# Altium PCB roach2.PcbDoc (part 10 of 39)
Units mil, origin at the board's own origin, x right, y up, seen from the top; angles counter-clockwise.
Board outline 12007.87 x 9606.3 mil, 16 copper layers (L1_TOP, L2_G, L3_S, L4_G, L5_S, L6_P, L7_G, L8_R, L9_R, L10_P, L11_P, L12_S, L13_P, L14_S, L15_G, L16_BOT), stack 81.651 mil thick; 1608 components, 1934 nets, 9335 pads, 6759 vias.
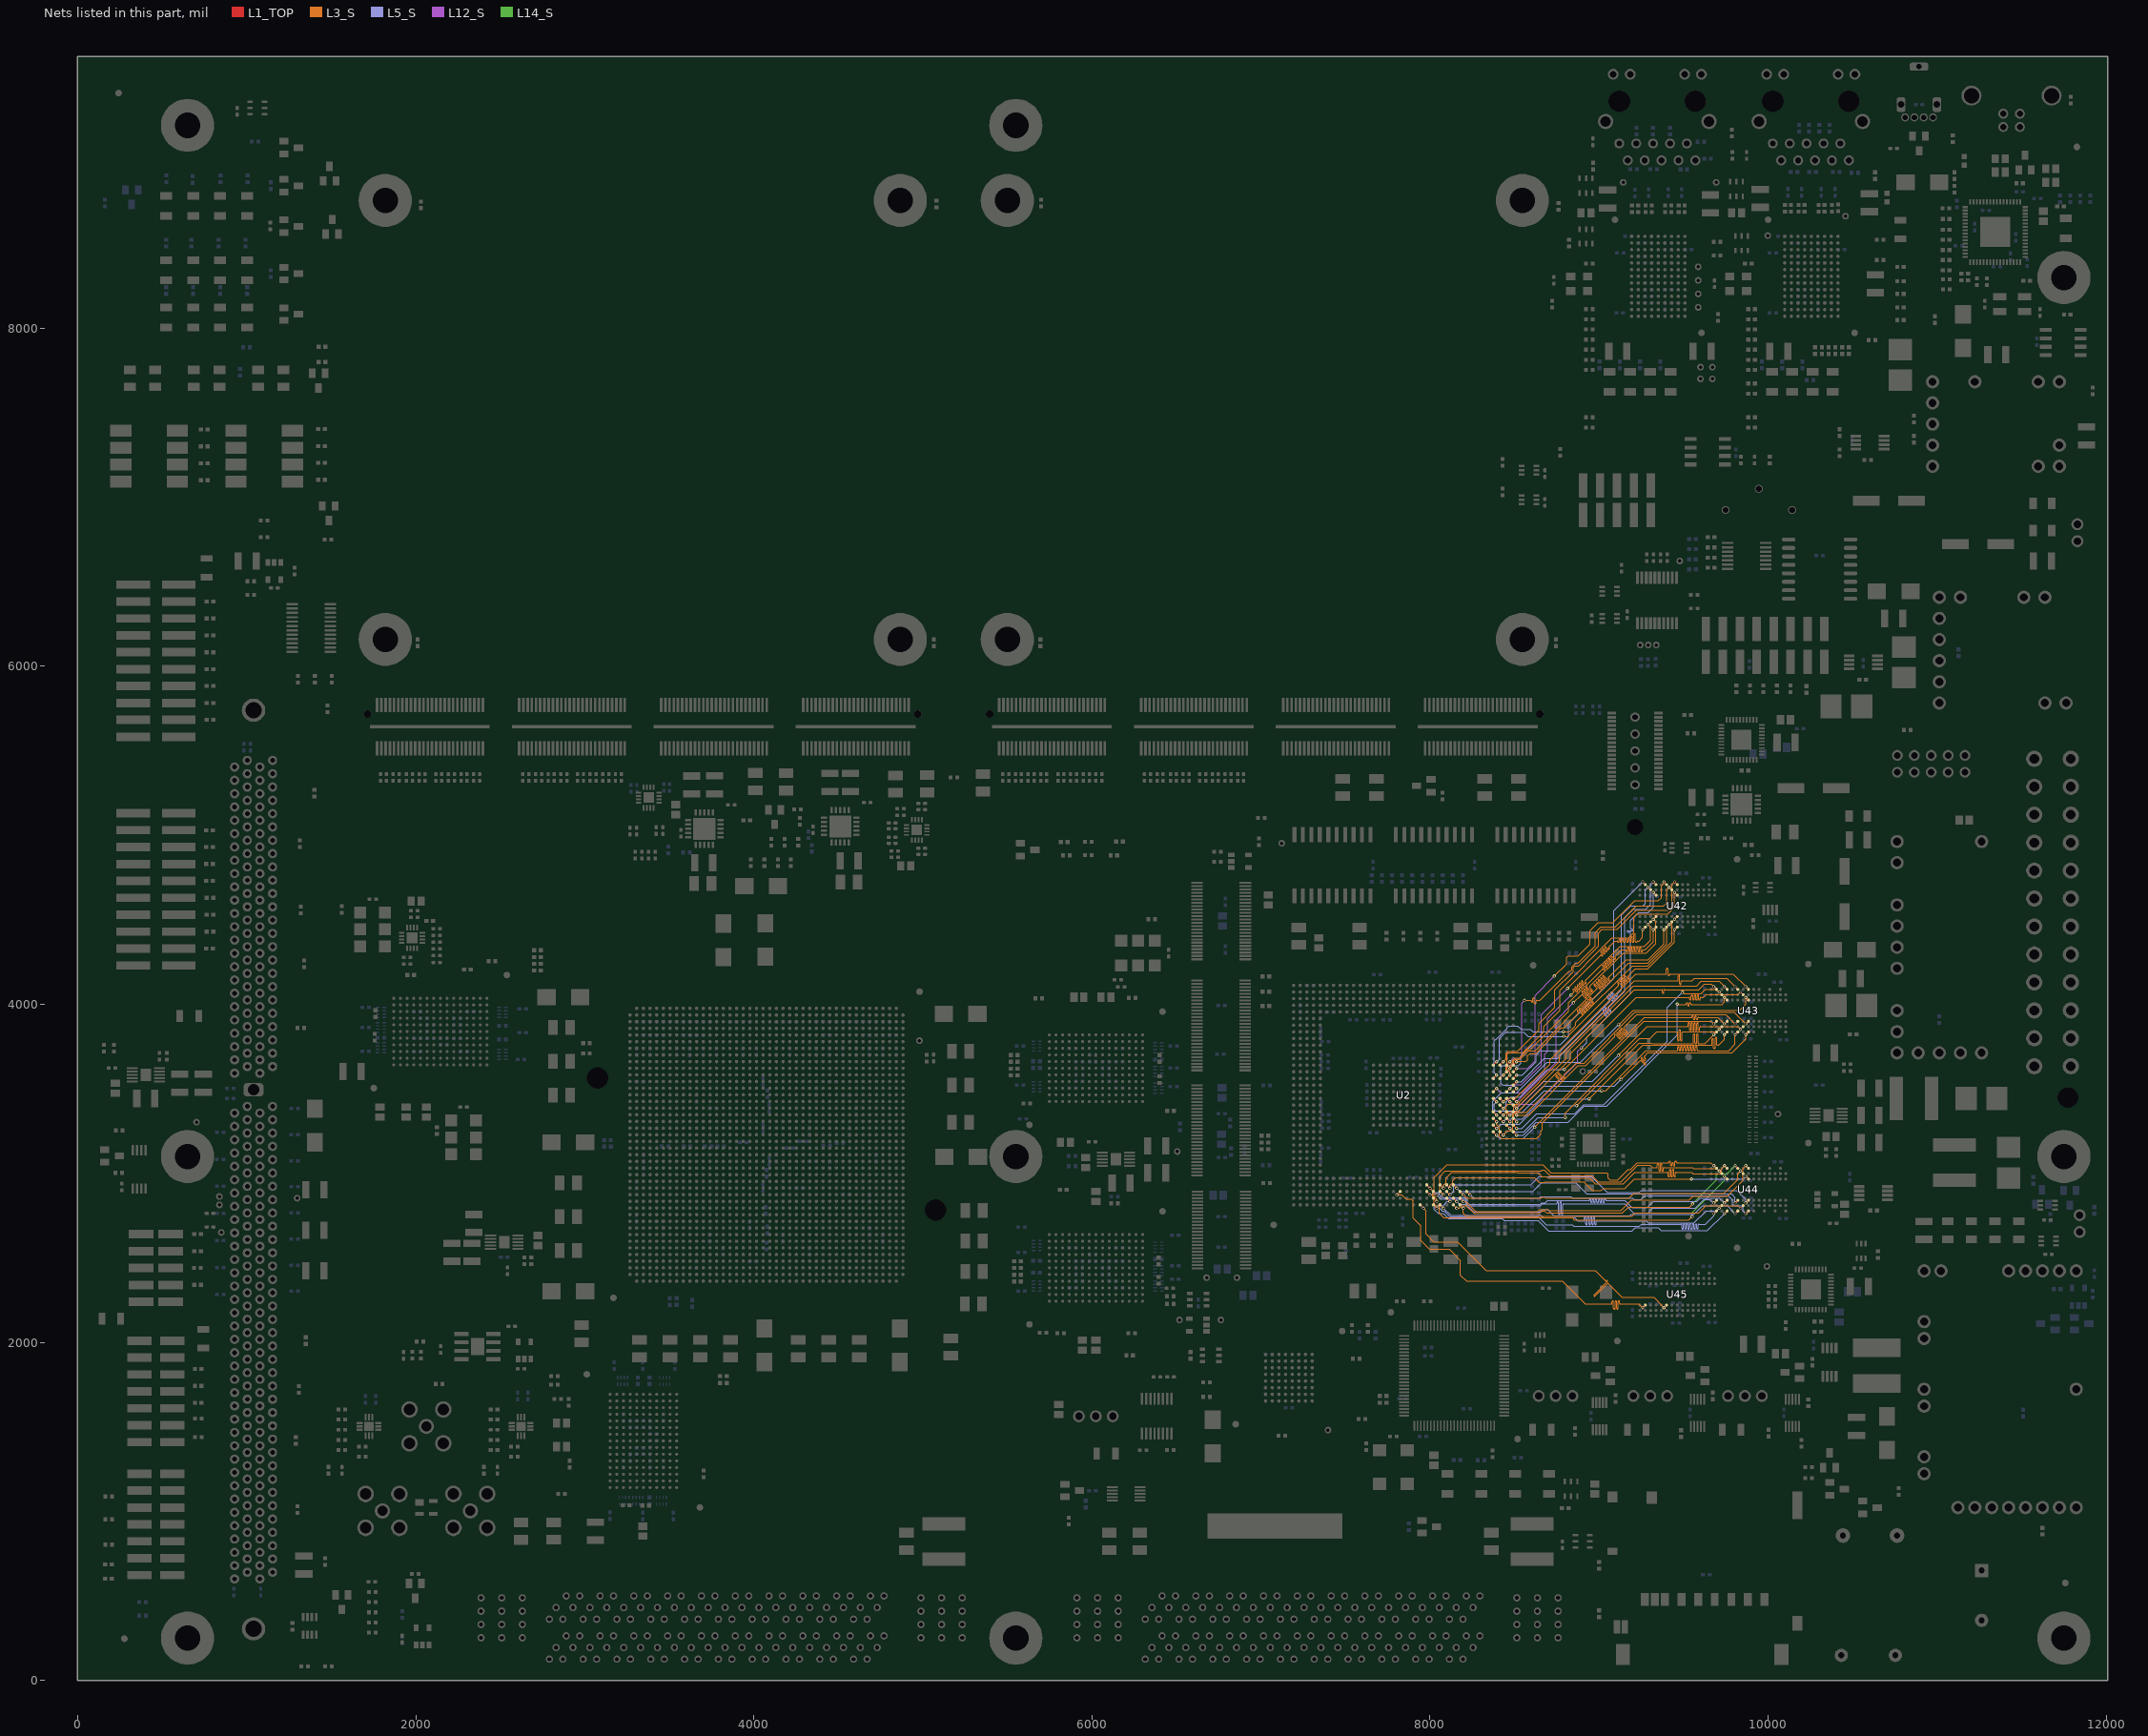
[diagram p24: the nets of this part, all layers, seen from the top]

## Via types
v1: diameter 19.4, hole 10, L1_TOP to L16_BOT, tented both sides, 3354 vias
v2: diameter 19.4, hole 10, L1_TOP to L16_BOT, 1884 vias
v3: diameter 19.4, hole 10, L1_TOP to L16_BOT, tented top, 410 vias
v4: diameter 18.6, hole 10, L1_TOP to L16_BOT, tented both sides, 311 vias
v5: diameter 59.06, hole 39.37, L1_TOP to L16_BOT, 217 vias
v6: diameter 19, hole 10, L1_TOP to L16_BOT, 198 vias
v7: diameter 19.4, hole 10.04, L1_TOP to L16_BOT, 125 vias
v8: diameter 19.4, hole 10, L1_TOP to L16_BOT, tented bottom, 80 vias
v9: diameter 25.98, hole 12.99, L1_TOP to L16_BOT, tented top, 59 vias
v10: diameter 20, hole 10, L1_TOP to L16_BOT, 52 vias
v11: diameter 59.06, hole 39.37, L1_TOP to L16_BOT, tented top, 44 vias
v12: diameter 20, hole 10, L1_TOP to L16_BOT, tented top, 16 vias
v13: diameter 19, hole 10, L1_TOP to L16_BOT, tented top, 5 vias
v14: diameter 50, hole 28, L1_TOP to L16_BOT, 4 vias

## Nets (pads, with @x,y where several pads share a name; then routed paths per layer and width w, separated by ;. In a path a pad name is that pad's centre, name@x,y a point inside that pad or via, vN(x,y) a via of type N, cw(c..) or ccw(c..) an arc to the next point about the centre after c; other vN are vias at no path point) (continued)
DDR2.DM2: U2.AP15 U43.F3 | length 1915.4
  L1_TOP w5: U2.AP15@8492.6,3364.57 v1(8512.28,3344.88) ; v4(9805.12,3883.86) U43.F3@9820.87,3899.61
  L3_S w3.8: v1(8512.28,3344.88) 8584.99,3344.88 8877.05,3636.94 8920.94,3636.94 9091.45,3807.45 ccw(c9088.34,3810.56) 9091.45,3813.67 cw(c9094.56,3816.78) 9091.45,3819.89 cw(c9094.56,3816.78) 9097.67,3819.89 9121.92,3795.64 ccw(c9125.03,3798.76) 9128.14,3795.65 ccw(c9125.03,3798.76) 9128.14,3801.87 9107,3823 9104.74,3825.27 cw(c9107.85,3828.38) 9104.74,3831.49 cw(c9107.85,3828.38) 9110.96,3831.49 9134.36,3808.09 ccw(c9137.47,3811.2) 9140.58,3808.09 ccw(c9137.47,3811.2) 9140.58,3814.31 9119.45,3835.45 9117.19,3837.71 cw(c9120.3,3840.82) 9117.19,3843.93 cw(c9120.3,3840.82) 9123.41,3843.93 9125.67,3841.67 9146.81,3820.54 ccw(c9149.92,3823.65) 9153.03,3820.54 ccw(c9149.92,3823.65) 9153.03,3826.76 9129.63,3850.16 cw(c9132.74,3853.27) 9129.63,3856.38 cw(c9132.74,3853.27) 9135.85,3856.38 9138.12,3854.12 9159.25,3832.98 ccw(c9162.36,3836.09) 9165.47,3832.98 ccw(c9162.36,3836.09) 9165.47,3839.2 9147.45,3857.23 cw(c9150.56,3860.34) 9147.45,3863.45 9222.99,3938.99 9749.98,3938.99 v4(9805.12,3883.86)
DDR2.DM3: U2.AL14 U43.B3 | length 1745.1
  L1_TOP w5: U2.AL14@8374.49,3325.2 v1(8394.17,3305.51) ; v4(9679.13,3883.86) U43.B3@9694.88,3899.61
  L3_S w3.8: v1(8394.17,3305.51) 8394.17,3288.2 8409.77,3272.6 8409.77,3218.21 8420.99,3206.99 8630.99,3206.99 8655.08,3231.08 8655.08,3249.77 8664.22,3258.91 8664.22,3298.22 9265.46,3899.46 9663.24,3899.46 9678.84,3883.86 v4(9679.13,3883.86)
DDR2.DM4: U2.AE4 U44.F3 | length 1793.2
  L1_TOP w5: U2.AE4@8138.27,2931.5 v1(8157.95,2911.81) ; v4(9805.12,2824.8) U44.F3@9820.87,2840.55
  L5_S w3.8: v1(8157.95,2911.81) 8176.77,2892.99 8608.99,2892.99 8658.59,2942.59 8863.39,2942.59 8927.39,2878.59 9783.39,2878.59 9805.12,2856.87 v4(9805.12,2824.8)
DDR2.DM5: U2.AB3 U44.B3 | length 2068
  L1_TOP w5: U2.AB3@8020.16,2892.13 v1(8039.84,2872.44) ; v4(9679.13,2824.8) U44.B3@9694.88,2840.55
  L5_S w3.8: v1(8039.84,2872.44) 8063.61,2848.67 8203.79,2848.67 8212.92,2839.53 8212.92,2822.22 8225.85,2809.3 8654.61,2809.3 8664.22,2818.91 8746.99,2818.91 ccw(c8746.99,2823.31) 8751.39,2823.31 8751.39,2826.51 cw(c8755.79,2826.51) 8755.79,2830.91 cw(c8755.79,2826.51) 8760.19,2826.51 8760.19,2761.47 ccw(c8764.59,2761.47) 8764.59,2757.07 ccw(c8764.59,2761.47) 8768.99,2761.47 8768.99,2826.51 cw(c8773.39,2826.51) 8773.39,2830.91 cw(c8773.39,2826.51) 8777.79,2826.51 8777.79,2761.47 ccw(c8782.19,2761.47) 8782.19,2757.07 ccw(c8782.19,2761.47) 8786.59,2761.47 8786.59,2814.51 cw(c8790.99,2814.51) 8790.99,2818.91 9153.08,2818.91 9204.59,2767.39 9289.39,2767.39 9316.99,2794.99 9570.99,2794.99 9620.99,2844.99 9654.99,2844.99 9675.18,2824.8 v4(9679.13,2824.8)
DDR2.DM6: U2.Y1 U45.F3 | length 2025.6
  L1_TOP w5: U2.Y1@7941.42,2813.39 v1(7961.1,2793.7) ; v4(9383.86,2204.72) U45.F3@9399.61,2220.47
  L3_S w3.8: v1(7961.1,2793.7) 7976.99,2777.81 7976.99,2640.99 8022.99,2594.99 8162.99,2594.99 8332.99,2424.99 8976.99,2424.99 9036.59,2365.4 ccw(c9039.7,2368.51) 9042.81,2365.4 cw(c9045.92,2362.28) 9049.03,2365.4 cw(c9045.92,2362.28) 9049.03,2359.17 8970.74,2280.88 ccw(c8973.85,2277.77) 8970.74,2274.66 ccw(c8973.85,2277.77) 8976.97,2274.66 9049.03,2346.73 cw(c9052.14,2343.62) 9055.26,2346.73 9134.99,2266.99 9323.19,2266.99 9383.86,2206.32 v4(9383.86,2204.72)
DDR2.DM7: U2.U3 U45.B3 | length 2145.7
  L1_TOP w5: v1(7803.62,2872.44) U2.U3@7823.31,2892.13 ; v4(9257.87,2204.72) U45.B3@9273.62,2220.47
  L3_S w3.8: v1(7803.62,2872.44) 7833.54,2872.44 7857.31,2848.67 7888.83,2848.67 7900.99,2836.5 7900.99,2734.99 7944.99,2690.99 7944.99,2602.99 7996.99,2550.99 8114.99,2550.99 8180.99,2484.99 8180.99,2396.99 8214.99,2362.99 8782.99,2362.99 8918.99,2226.99 9072.99,2226.99 ccw(c9072.99,2231.39) 9077.39,2231.39 9077.39,2240.33 cw(c9081.79,2240.33) 9081.79,2244.73 cw(c9081.79,2240.33) 9086.19,2240.33 9086.19,2201.79 ccw(c9090.59,2201.79) 9090.59,2197.39 ccw(c9090.59,2201.79) 9094.99,2201.79 9094.99,2240.33 cw(c9099.39,2240.33) 9099.39,2244.73 cw(c9099.39,2240.33) 9103.79,2240.33 9103.79,2201.79 ccw(c9108.19,2201.79) 9108.19,2197.39 ccw(c9108.19,2201.79) 9112.59,2201.79 9112.59,2240.33 cw(c9116.99,2240.33) 9116.99,2244.73 cw(c9116.99,2240.33) 9121.39,2240.33 9121.39,2231.39 ccw(c9125.79,2231.39) 9125.79,2226.99 9235.61,2226.99 v4(9257.87,2204.72)
DDR2.DQ0: U2.AN22 U42.G8 | length 1783
  L1_TOP w5: U2.AN22@8453.23,3640.16 v1(8472.91,3659.84) ; v4(9415.35,4692.91) U42.G8@9431.1,4677.17
  L3_S w3.8: v2(8558.99,4022.99) 8595.79,4022.99 cw(c8595.79,4018.59) 8600.19,4018.59 8600.19,4017.71 ccw(c8604.59,4017.71) 8604.59,4013.31 ccw(c8604.59,4017.71) 8608.99,4017.71 8608.99,4034.07 cw(c8613.39,4034.07) 8613.39,4038.47 cw(c8613.39,4034.07) 8617.79,4034.07 8617.79,4007.92 ccw(c8622.19,4007.92) 8622.19,4003.52 ccw(c8622.19,4007.92) 8626.59,4007.92 8626.59,4018.59 cw(c8630.99,4018.59) 8630.99,4022.99 8650.96,4022.99 8823.36,4195.39 8829.45,4195.39 8838.96,4204.9 8838.96,4220.68 8861.27,4242.99 8876.99,4242.99 8978.99,4344.99 8978.99,4424.99 9010.99,4456.99 9096.99,4456.99 9220.99,4580.99 9380.99,4580.99 9399.75,4599.75 9399.75,4677.31 v4(9415.35,4692.91)
  L12_S w3.8: v1(8472.91,3659.84) 8490.06,3676.99 8531.97,3676.99 8542.99,3688.02 8542.99,4006.99 v2(8558.99,4022.99)
DDR2.DQ1: U2.AP22 U42.G2 | length 1783
  L1_TOP w5: U2.AP22@8492.6,3640.16 v1(8512.28,3659.84) ; v4(9415.35,4472.44) U42.G2@9431.1,4488.19
  L3_S w3.8: v1(8512.28,3659.84) 8514.83,3662.39 8569.45,3662.39 8578.59,3671.53 8578.59,3696.4 8591.18,3708.99 8624.99,3708.99 8774.99,3858.99 8790.99,3858.99 8877.5,3945.5 ccw(c8874.39,3948.62) 8877.5,3951.73 8871.34,3957.89 cw(c8874.45,3961) 8871.34,3964.11 cw(c8874.45,3961) 8877.57,3964.11 8897.11,3944.57 ccw(c8900.22,3947.68) 8903.33,3944.57 ccw(c8900.22,3947.68) 8903.33,3950.79 8893.06,3961.06 8883.79,3970.33 cw(c8886.9,3973.44) 8883.79,3976.56 cw(c8886.9,3973.44) 8890.01,3976.56 8909.56,3957.01 ccw(c8912.67,3960.12) 8915.78,3957.01 ccw(c8912.67,3960.12) 8915.78,3963.23 8896.23,3982.78 cw(c8899.34,3985.89) 8896.23,3989 cw(c8899.34,3985.89) 8902.46,3989 8922,3969.46 ccw(c8925.11,3972.57) 8928.22,3969.46 ccw(c8925.11,3972.57) 8928.22,3975.68 8908.68,3995.22 cw(c8911.79,3998.33) 8908.68,4001.45 cw(c8911.79,3998.33) 8914.9,4001.45 8924.17,3992.17 8934.45,3981.9 ccw(c8937.56,3985.01) 8940.67,3981.9 ccw(c8937.56,3985.01) 8940.67,3988.12 8921.12,4007.67 cw(c8924.23,4010.78) 8921.12,4013.89 cw(c8924.23,4010.78) 8927.35,4013.89 8946.89,3994.35 ccw(c8950,3997.46) 8953.11,3994.35 ccw(c8950,3997.46) 8953.11,4000.57 8942.84,4010.84 8933.57,4020.11 cw(c8936.68,4023.22) 8933.57,4026.34 cw(c8936.68,4023.22) 8939.79,4026.34 8959.34,4006.79 ccw(c8962.45,4009.9) 8965.56,4006.79 ccw(c8962.45,4009.9) 8965.56,4013.01 8955.29,4023.29 8946.01,4032.56 cw(c8949.12,4035.67) 8946.01,4038.78 cw(c8949.12,4035.67) 8952.24,4038.78 8958.4,4032.62 ccw(c8961.51,4035.73) 8964.62,4032.62 9174.99,4242.99 9286.99,4242.99 9399.75,4355.75 9399.75,4456.84 v4(9415.35,4472.44)
DDR2.DQ2: U2.AM20 U42.H7 | length 1763.6
  L1_TOP w5: U2.AM20@8413.86,3561.42 v1(8433.54,3581.1) ; v4(9446.85,4661.42) U42.H7@9462.6,4645.67
  L3_S w3.8: v1(8433.54,3581.1) 8449.51,3597.07 8449.51,3630.17 8457.31,3637.97 8457.31,3705.68 8466.45,3714.81 8548.81,3714.81 8672.99,3838.99 8672.99,3868.99 8767.83,3963.83 8767.83,4083.83 9076.99,4392.99 9174.99,4392.99 9204.99,4422.99 9204.99,4514.99 9222.99,4532.99 9406.99,4532.99 9446.85,4572.85 v4(9446.85,4661.42)
DDR2.DQ3: U2.AL20 U42.H3 | length 1734.9
  L1_TOP w5: U2.AL20@8374.49,3561.42 v1(8394.17,3581.1) ; v4(9446.85,4503.94) U42.H3@9462.6,4519.68
  L3_S w3.8: v2(8788.99,3838.99) 8824.99,3838.99 8853.39,3867.39 8853.98,3867.39 8863.12,3876.53 8863.12,3893.12 9196.99,4226.99 9286.99,4226.99 9431.25,4371.25 9431.25,4488.34 v4(9446.85,4503.94)
  L5_S w3.8: v1(8394.17,3581.1) 8378.57,3596.7 8378.57,3784.42 8387.71,3793.55 8392.47,3793.55 8457.31,3858.4 8457.31,3863.16 8466.45,3872.29 8518.75,3872.29 8540.05,3850.99 8594.99,3850.99 8606.99,3838.99 v2(8788.99,3838.99)
DDR2.DQ4: U2.AL22 U42.H1 | length 1783
  L1_TOP w5: U2.AL22@8374.49,3640.16 v1(8394.17,3659.84) ; v4(9446.85,4440.94) U42.H1@9462.6,4456.69
  L3_S w3.8: v2(8790.99,3810.99) 8814.99,3810.99 9115.92,4111.92 ccw(c9112.81,4115.03) 9115.92,4118.14 9110.79,4123.27 cw(c9113.9,4126.38) 9110.79,4129.5 cw(c9113.9,4126.38) 9117.01,4129.5 9125.25,4121.25 9133.5,4113.01 ccw(c9136.61,4116.12) 9139.72,4113.01 ccw(c9136.61,4116.12) 9139.72,4119.23 9123.23,4135.72 cw(c9126.35,4138.83) 9123.23,4141.94 cw(c9126.35,4138.83) 9129.46,4141.94 9145.94,4125.46 ccw(c9149.05,4128.57) 9152.16,4125.46 ccw(c9149.05,4128.57) 9152.16,4131.68 9135.68,4148.16 cw(c9138.79,4151.27) 9135.68,4154.39 cw(c9138.79,4151.27) 9141.9,4154.39 9158.39,4137.9 ccw(c9161.5,4141.01) 9164.61,4137.9 ccw(c9161.5,4141.01) 9164.61,4144.13 9156.37,4152.37 9148.13,4160.61 cw(c9151.24,4163.72) 9148.13,4166.83 cw(c9151.24,4163.72) 9154.35,4166.83 9170.83,4150.35 ccw(c9173.94,4153.46) 9177.05,4150.35 ccw(c9173.94,4153.46) 9177.05,4156.57 9171.92,4161.7 cw(c9175.03,4164.81) 9171.92,4167.92 9214.99,4210.99 9288.99,4210.99 9446.85,4368.85 v4(9446.85,4440.94)
  L5_S w3.8: v1(8394.17,3659.84) 8409.77,3675.44 8409.77,3797.77 8446.99,3834.99 8554.99,3834.99 8578.99,3810.99 v2(8790.99,3810.99)
DDR2.DQ5: U2.AM22 U42.H9 | length 1741.2
  L1_TOP w5: U2.AM22@8413.86,3640.16 v1(8433.54,3659.84) ; v4(9446.85,4724.41) U42.H9@9462.6,4708.66
  L3_S w3.8: v1(8433.54,3659.84) 8449.51,3675.81 8449.51,3708.91 8463.22,3722.61 8496.31,3722.61 8496.69,3722.99 8505.81,3722.99 ; 8505.82,3722.98 8518.75,3722.98 8644.99,3849.23 8644.99,3886.99 8738.99,3980.99 8738.99,4084.99 8846.76,4192.76 8846.76,4217.45 8855.9,4226.59 8878.59,4226.59 8997.56,4345.56 8997.56,4422.67 9018.32,4443.42 9107.42,4443.42 9220.99,4556.99 9406.99,4556.99 9431.25,4581.25 9431.25,4708.81 v4(9446.85,4724.41)
DDR2.DQ6: U2.AN21 U42.F1 | length 1783
  L1_TOP w5: U2.AN21@8453.23,3600.79 v1(8472.91,3620.47) ; v4(9383.86,4440.94) U42.F1@9399.61,4456.69
  L3_S w3.8: v1(8472.91,3620.47) 8496.68,3644.24 8496.68,3666.31 8505.82,3675.44 8532.13,3675.44 8581.68,3724.99 8620.99,3724.99 8986.76,4090.76 ccw(c8983.65,4093.87) 8986.76,4096.98 8971.65,4112.1 cw(c8974.76,4115.21) 8971.65,4118.32 cw(c8974.76,4115.21) 8977.87,4118.32 8996.09,4100.09 9004.32,4091.87 ccw(c9007.43,4094.98) 9010.54,4091.87 ccw(c9007.43,4094.98) 9010.54,4098.09 8984.09,4124.54 cw(c8987.2,4127.65) 8984.09,4130.76 cw(c8987.2,4127.65) 8990.32,4130.76 9008.54,4112.54 9016.76,4104.32 ccw(c9019.88,4107.43) 9022.99,4104.32 ccw(c9019.88,4107.43) 9022.99,4110.54 8996.54,4136.99 cw(c8999.65,4140.1) 8996.54,4143.21 cw(c8999.65,4140.1) 9002.76,4143.21 9020.98,4124.98 9029.21,4116.76 ccw(c9032.32,4119.87) 9035.43,4116.76 ccw(c9032.32,4119.87) 9035.43,4122.98 9027.21,4131.21 9008.98,4149.43 cw(c9012.09,4152.54) 9008.98,4155.65 cw(c9012.09,4152.54) 9015.21,4155.65 9041.65,4129.21 ccw(c9044.77,4132.32) 9047.88,4129.21 ccw(c9044.77,4132.32) 9047.88,4135.43 9039.65,4143.65 9021.43,4161.88 cw(c9024.54,4164.99) 9021.43,4168.1 cw(c9024.54,4164.99) 9027.65,4168.1 9054.1,4141.65 ccw(c9057.21,4144.76) 9060.32,4141.65 ccw(c9057.21,4144.76) 9060.32,4147.87 9055.21,4152.99 cw(c9058.32,4156.1) 9055.21,4159.21 9160.99,4264.99 9290.99,4264.99 9383.86,4357.86 v4(9383.86,4440.94)
DDR2.DQ7: U2.AP21 U42.F9 | length 1720.2
  L1_TOP w5: U2.AP21@8492.6,3600.79 v1(8512.28,3620.47) ; v4(9383.86,4724.41) U42.F9@9399.61,4708.66
  L3_S w3.8: v2(8734.99,4166.99) 8807.39,4239.39 8807.39,4277.45 8817.18,4287.24 8877.24,4287.24 8946.99,4356.99 8946.99,4434.99 8994.56,4482.56 9082.56,4482.56 9212.99,4612.99 9350.99,4612.99 9368.26,4630.26 9368.26,4699.38 9383.86,4714.98 v4(9383.86,4724.41)
  L12_S w3.8: v1(8512.28,3620.47) 8576.47,3620.47 8620.99,3664.99 8620.99,4052.99 v2(8734.99,4166.99)
DDR2.DQ8: U2.AP20 U42.C8 | length 1849.9
  L1_TOP w5: U2.AP20@8492.6,3561.42 v1(8512.28,3581.1) ; v4(9289.37,4692.91) U42.C8@9305.12,4677.17
  L5_S w3.8: v1(8512.28,3581.1) 8547.1,3581.1 8626.99,3660.99 8626.99,3700.99 8650.99,3724.99 8770.99,3724.99 9062.78,4016.78 ccw(c9059.67,4019.89) 9062.78,4023.01 9045.69,4040.1 cw(c9048.8,4043.21) 9045.69,4046.32 cw(c9048.8,4043.21) 9051.92,4046.32 9072.12,4026.12 9076.32,4021.91 ccw(c9079.43,4025.03) 9082.54,4021.91 ccw(c9079.43,4025.03) 9082.54,4028.14 9078.34,4032.34 9058.14,4052.54 cw(c9061.25,4055.65) 9058.14,4058.76 cw(c9061.25,4055.65) 9064.36,4058.76 9088.76,4034.36 ccw(c9091.88,4037.47) 9094.99,4034.36 ccw(c9091.88,4037.47) 9094.99,4040.58 9090.78,4044.78 9070.58,4064.99 cw(c9073.69,4068.1) 9070.58,4071.21 cw(c9073.69,4068.1) 9076.8,4071.21 9101.21,4046.81 ccw(c9104.32,4049.92) 9107.43,4046.81 ccw(c9104.32,4049.92) 9107.43,4053.03 9106.34,4054.12 cw(c9109.45,4057.23) 9106.34,4060.34 9132.99,4086.99 9132.99,4528.66 9187.01,4582.68 9258.68,4582.68 9273.77,4597.77 9273.77,4677.31 v4(9289.37,4692.91)
DDR2.DQ9: U2.AL18 U42.C2 | length 1849.9
  L1_TOP w5: U2.AL18@8374.49,3482.68 v1(8394.17,3502.36) ; v4(9289.37,4472.44) U42.C2@9305.12,4488.19
  L3_S w3.8: v2(8834.99,4054.99) 8850.99,4070.99 ccw(c8847.88,4074.1) 8850.99,4077.21 8846.41,4081.8 cw(c8849.52,4084.91) 8846.41,4088.02 cw(c8849.52,4084.91) 8852.63,4088.02 8866.02,4074.63 ccw(c8869.13,4077.74) 8872.24,4074.63 ccw(c8869.13,4077.74) 8872.24,4080.85 8866.55,4086.55 8858.85,4094.24 cw(c8861.96,4097.36) 8858.85,4100.47 cw(c8861.96,4097.36) 8865.08,4100.47 8878.47,4087.08 ccw(c8881.58,4090.19) 8884.69,4087.08 ccw(c8881.58,4090.19) 8884.69,4093.3 8871.3,4106.69 cw(c8874.41,4109.8) 8871.3,4112.91 cw(c8874.41,4109.8) 8877.52,4112.91 8890.91,4099.52 ccw(c8894.02,4102.63) 8897.13,4099.52 ccw(c8894.02,4102.63) 8897.13,4105.74 8883.74,4119.13 cw(c8886.85,4122.25) 8883.74,4125.36 cw(c8886.85,4122.25) 8889.97,4125.36 8897.66,4117.66 8903.36,4111.97 ccw(c8906.47,4115.08) 8909.58,4111.97 ccw(c8906.47,4115.08) 8909.58,4118.19 8896.19,4131.58 cw(c8899.3,4134.69) 8896.19,4137.8 cw(c8899.3,4134.69) 8902.41,4137.8 8915.8,4124.41 ccw(c8918.91,4127.52) 8922.02,4124.41 ccw(c8918.91,4127.52) 8922.02,4130.63 8919.44,4133.22 cw(c8922.55,4136.33) 8919.44,4139.44 9122.99,4342.99 9267.68,4342.99 9304.97,4380.28 9304.97,4456.84 v4(9289.37,4472.44)
  L12_S w3.8: v1(8394.17,3502.36) 8419.55,3476.99 8546.99,3476.99 8678.99,3608.99 8678.99,3704.99 8696.99,3722.99 8696.99,3916.99 v2(8834.99,4054.99)
DDR2.DQ10: U2.AN17 U42.D7 | length 1849.9
  L1_TOP w5: U2.AN17@8453.23,3443.31 v1(8472.91,3423.62) ; v4(9320.87,4661.42) U42.D7@9336.61,4645.67
  L5_S w3.8: v2(8894.99,3742.99) 8925.71,3773.71 8925.71,3803.24 9186.99,4064.53 9186.99,4422.59 ccw(c9182.59,4422.59) 9182.59,4426.99 9170.63,4426.99 cw(c9170.63,4431.39) 9166.23,4431.39 cw(c9170.63,4431.39) 9170.63,4435.79 9200.95,4435.79 ccw(c9200.95,4440.19) 9205.35,4440.19 ccw(c9200.95,4440.19) 9200.95,4444.59 9191.39,4444.59 cw(c9191.39,4448.99) 9186.99,4448.99 9186.99,4496.99 9232.99,4542.99 9289.8,4542.99 9320.87,4574.06 v4(9320.87,4661.42)
  L12_S w3.8: v1(8472.91,3423.62) 8488.51,3408.02 8624.02,3408.02 8872.99,3656.99 8872.99,3720.99 v2(8894.99,3742.99)
DDR2.DQ11: U2.AP17 U42.D3 | length 1849.9
  L1_TOP w5: U2.AP17@8492.6,3443.31 v1(8512.28,3423.62) ; v4(9320.87,4503.94) U42.D3@9336.61,4519.68
  L3_S w3.8: v2(8848.99,4008.99) 8895.17,4055.17 cw(c8898.28,4052.06) 8901.39,4055.17 8917,4039.56 ccw(c8920.11,4042.67) 8923.22,4039.56 ccw(c8920.11,4042.67) 8923.22,4045.78 8898.78,4070.22 cw(c8901.89,4073.33) 8898.78,4076.44 cw(c8901.89,4073.33) 8905,4076.44 8910.72,4070.72 8929.44,4052 ccw(c8932.56,4055.11) 8935.67,4052 ccw(c8932.56,4055.11) 8935.67,4058.23 8916.95,4076.95 8911.23,4082.67 cw(c8914.34,4085.78) 8911.23,4088.89 cw(c8914.34,4085.78) 8917.45,4088.89 8941.89,4064.45 ccw(c8945,4067.56) 8948.11,4064.45 ccw(c8945,4067.56) 8948.11,4070.67 8929.39,4089.39 8923.67,4095.11 cw(c8926.78,4098.22) 8923.67,4101.33 cw(c8926.78,4098.22) 8929.89,4101.33 8954.33,4076.89 ccw(c8957.45,4080) 8960.56,4076.89 ccw(c8957.45,4080) 8960.56,4083.12 8944.95,4098.72 cw(c8948.06,4101.84) 8944.95,4104.95 9142.99,4302.99 9278.99,4302.99 9336.76,4360.76 9336.76,4488.04 v4(9320.87,4503.94)
  L12_S w3.8: v1(8512.28,3423.62) 8745.3,3656.64 8745.3,3905.3 v2(8848.99,4008.99)
DDR2.DQ12: U2.AN20 U42.D1 | length 1849.9
  L1_TOP w5: U2.AN20@8453.23,3561.42 v1(8472.91,3581.1) ; v4(9320.87,4440.94) U42.D1@9336.61,4456.69
  L3_S w3.8: v1(8472.91,3581.1) 8472.91,3598.41 8457.31,3614.01 8457.31,3626.94 8466.45,3636.07 8471.21,3636.07 8488.88,3653.75 8488.88,3669.54 8502.59,3683.24 8528.9,3683.24 8578.44,3732.79 8594.69,3732.79 8820.99,3959.09 8820.99,4010.99 9018.58,4208.58 cw(c9021.69,4205.46) 9024.8,4208.58 9027.82,4205.55 ccw(c9030.93,4208.66) 9034.04,4205.55 ccw(c9030.93,4208.66) 9034.04,4211.78 9021.78,4224.04 cw(c9024.89,4227.15) 9021.78,4230.26 cw(c9024.89,4227.15) 9028,4230.26 9040.26,4218 ccw(c9043.38,4221.11) 9046.49,4218 ccw(c9043.38,4221.11) 9046.49,4224.22 9034.22,4236.49 cw(c9037.33,4239.6) 9034.22,4242.71 cw(c9037.33,4239.6) 9040.44,4242.71 9046.58,4236.58 9052.71,4230.44 ccw(c9055.82,4233.56) 9058.93,4230.44 ccw(c9055.82,4233.56) 9058.93,4236.67 9046.67,4248.93 cw(c9049.78,4252.04) 9046.67,4255.15 cw(c9049.78,4252.04) 9052.89,4255.15 9065.15,4242.89 ccw(c9068.27,4246) 9071.38,4242.89 ccw(c9068.27,4246) 9071.38,4249.11 9059.11,4261.38 cw(c9062.22,4264.49) 9059.11,4267.6 cw(c9062.22,4264.49) 9065.33,4267.6 9077.6,4255.33 ccw(c9080.71,4258.45) 9083.82,4255.33 ccw(c9080.71,4258.45) 9083.82,4261.56 9077.69,4267.69 9071.56,4273.82 cw(c9074.67,4276.93) 9071.56,4280.04 cw(c9074.67,4276.93) 9077.78,4280.04 9090.04,4267.78 ccw(c9093.16,4270.89) 9096.27,4267.78 ccw(c9093.16,4270.89) 9096.27,4274 9093.25,4277.02 cw(c9096.36,4280.13) 9093.25,4283.25 9132.99,4322.99 9156.99,4322.99 cw(c9156.99,4320.19) 9159.79,4320.19 9159.79,4315.19 ccw(c9164.19,4315.19) 9164.19,4310.79 ccw(c9164.19,4315.19) 9168.59,4315.19 9168.59,4330.79 cw(c9172.99,4330.79) 9172.99,4335.19 cw(c9172.99,4330.79) 9177.39,4330.79 9177.39,4315.19 ccw(c9181.79,4315.19) 9181.79,4310.79 ccw(c9181.79,4315.19) 9186.19,4315.19 9186.19,4330.79 cw(c9190.59,4330.79) 9190.59,4335.19 cw(c9190.59,4330.79) 9194.99,4330.79 9194.99,4315.19 ccw(c9199.39,4315.19) 9199.39,4310.79 ccw(c9199.39,4315.19) 9203.79,4315.19 9203.79,4330.79 cw(c9208.19,4330.79) 9208.19,4335.19 cw(c9208.19,4330.79) 9212.59,4330.79 9212.59,4315.19 ccw(c9216.99,4315.19) 9216.99,4310.79 ccw(c9216.99,4315.19) 9221.39,4315.19 9221.39,4330.79 cw(c9225.79,4330.79) 9225.79,4335.19 cw(c9225.79,4330.79) 9230.19,4330.79 9230.19,4315.19 ccw(c9234.59,4315.19) 9234.59,4310.79 ccw(c9234.59,4315.19) 9238.99,4315.19 9238.99,4330.79 cw(c9243.39,4330.79) 9243.39,4335.19 cw(c9243.39,4330.79) 9247.79,4330.79 9247.79,4315.19 ccw(c9252.19,4315.19) 9252.19,4310.79 ccw(c9252.19,4315.19) 9256.59,4315.19 9256.59,4318.59 cw(c9260.99,4318.59) 9260.99,4322.99 9272.99,4322.99 9320.87,4370.87 v4(9320.87,4440.94)
DDR2.DQ13: U2.AP19 U42.D9 | length 1849.9
  L1_TOP w5: U2.AP19@8492.6,3522.05 v1(8512.28,3541.73) ; v4(9320.87,4724.41) U42.D9@9336.61,4708.66
  L5_S w3.8: v1(8512.28,3541.73) 8539.73,3541.73 8676.99,3678.99 8754.99,3678.99 9020.18,3944.18 cw(c9023.29,3941.07) 9026.4,3944.18 9037.6,3932.99 ccw(c9040.71,3936.1) 9043.82,3932.99 ccw(c9040.71,3936.1) 9043.82,3939.21 9029.51,3953.51 9023.44,3959.59 cw(c9026.55,3962.7) 9023.44,3965.81 cw(c9026.55,3962.7) 9029.66,3965.81 9035.74,3959.74 9050.04,3945.43 ccw(c9053.15,3948.54) 9056.26,3945.43 ccw(c9053.15,3948.54) 9056.26,3951.65 9041.96,3965.96 9035.89,3972.03 cw(c9039,3975.14) 9035.89,3978.25 cw(c9039,3975.14) 9042.11,3978.25 9048.18,3972.18 9062.49,3957.88 ccw(c9065.6,3960.99) 9068.71,3957.88 ccw(c9065.6,3960.99) 9068.71,3964.1 9057.52,3975.29 cw(c9060.63,3978.4) 9057.52,3981.52 9152.99,4076.99 9152.99,4512.99 9202.99,4562.99 9276.99,4562.99 9305.27,4591.27 9305.27,4708.81 v4(9320.87,4724.41)